# KiCad board psc_carrier_brd.kicad_pcb (continued)
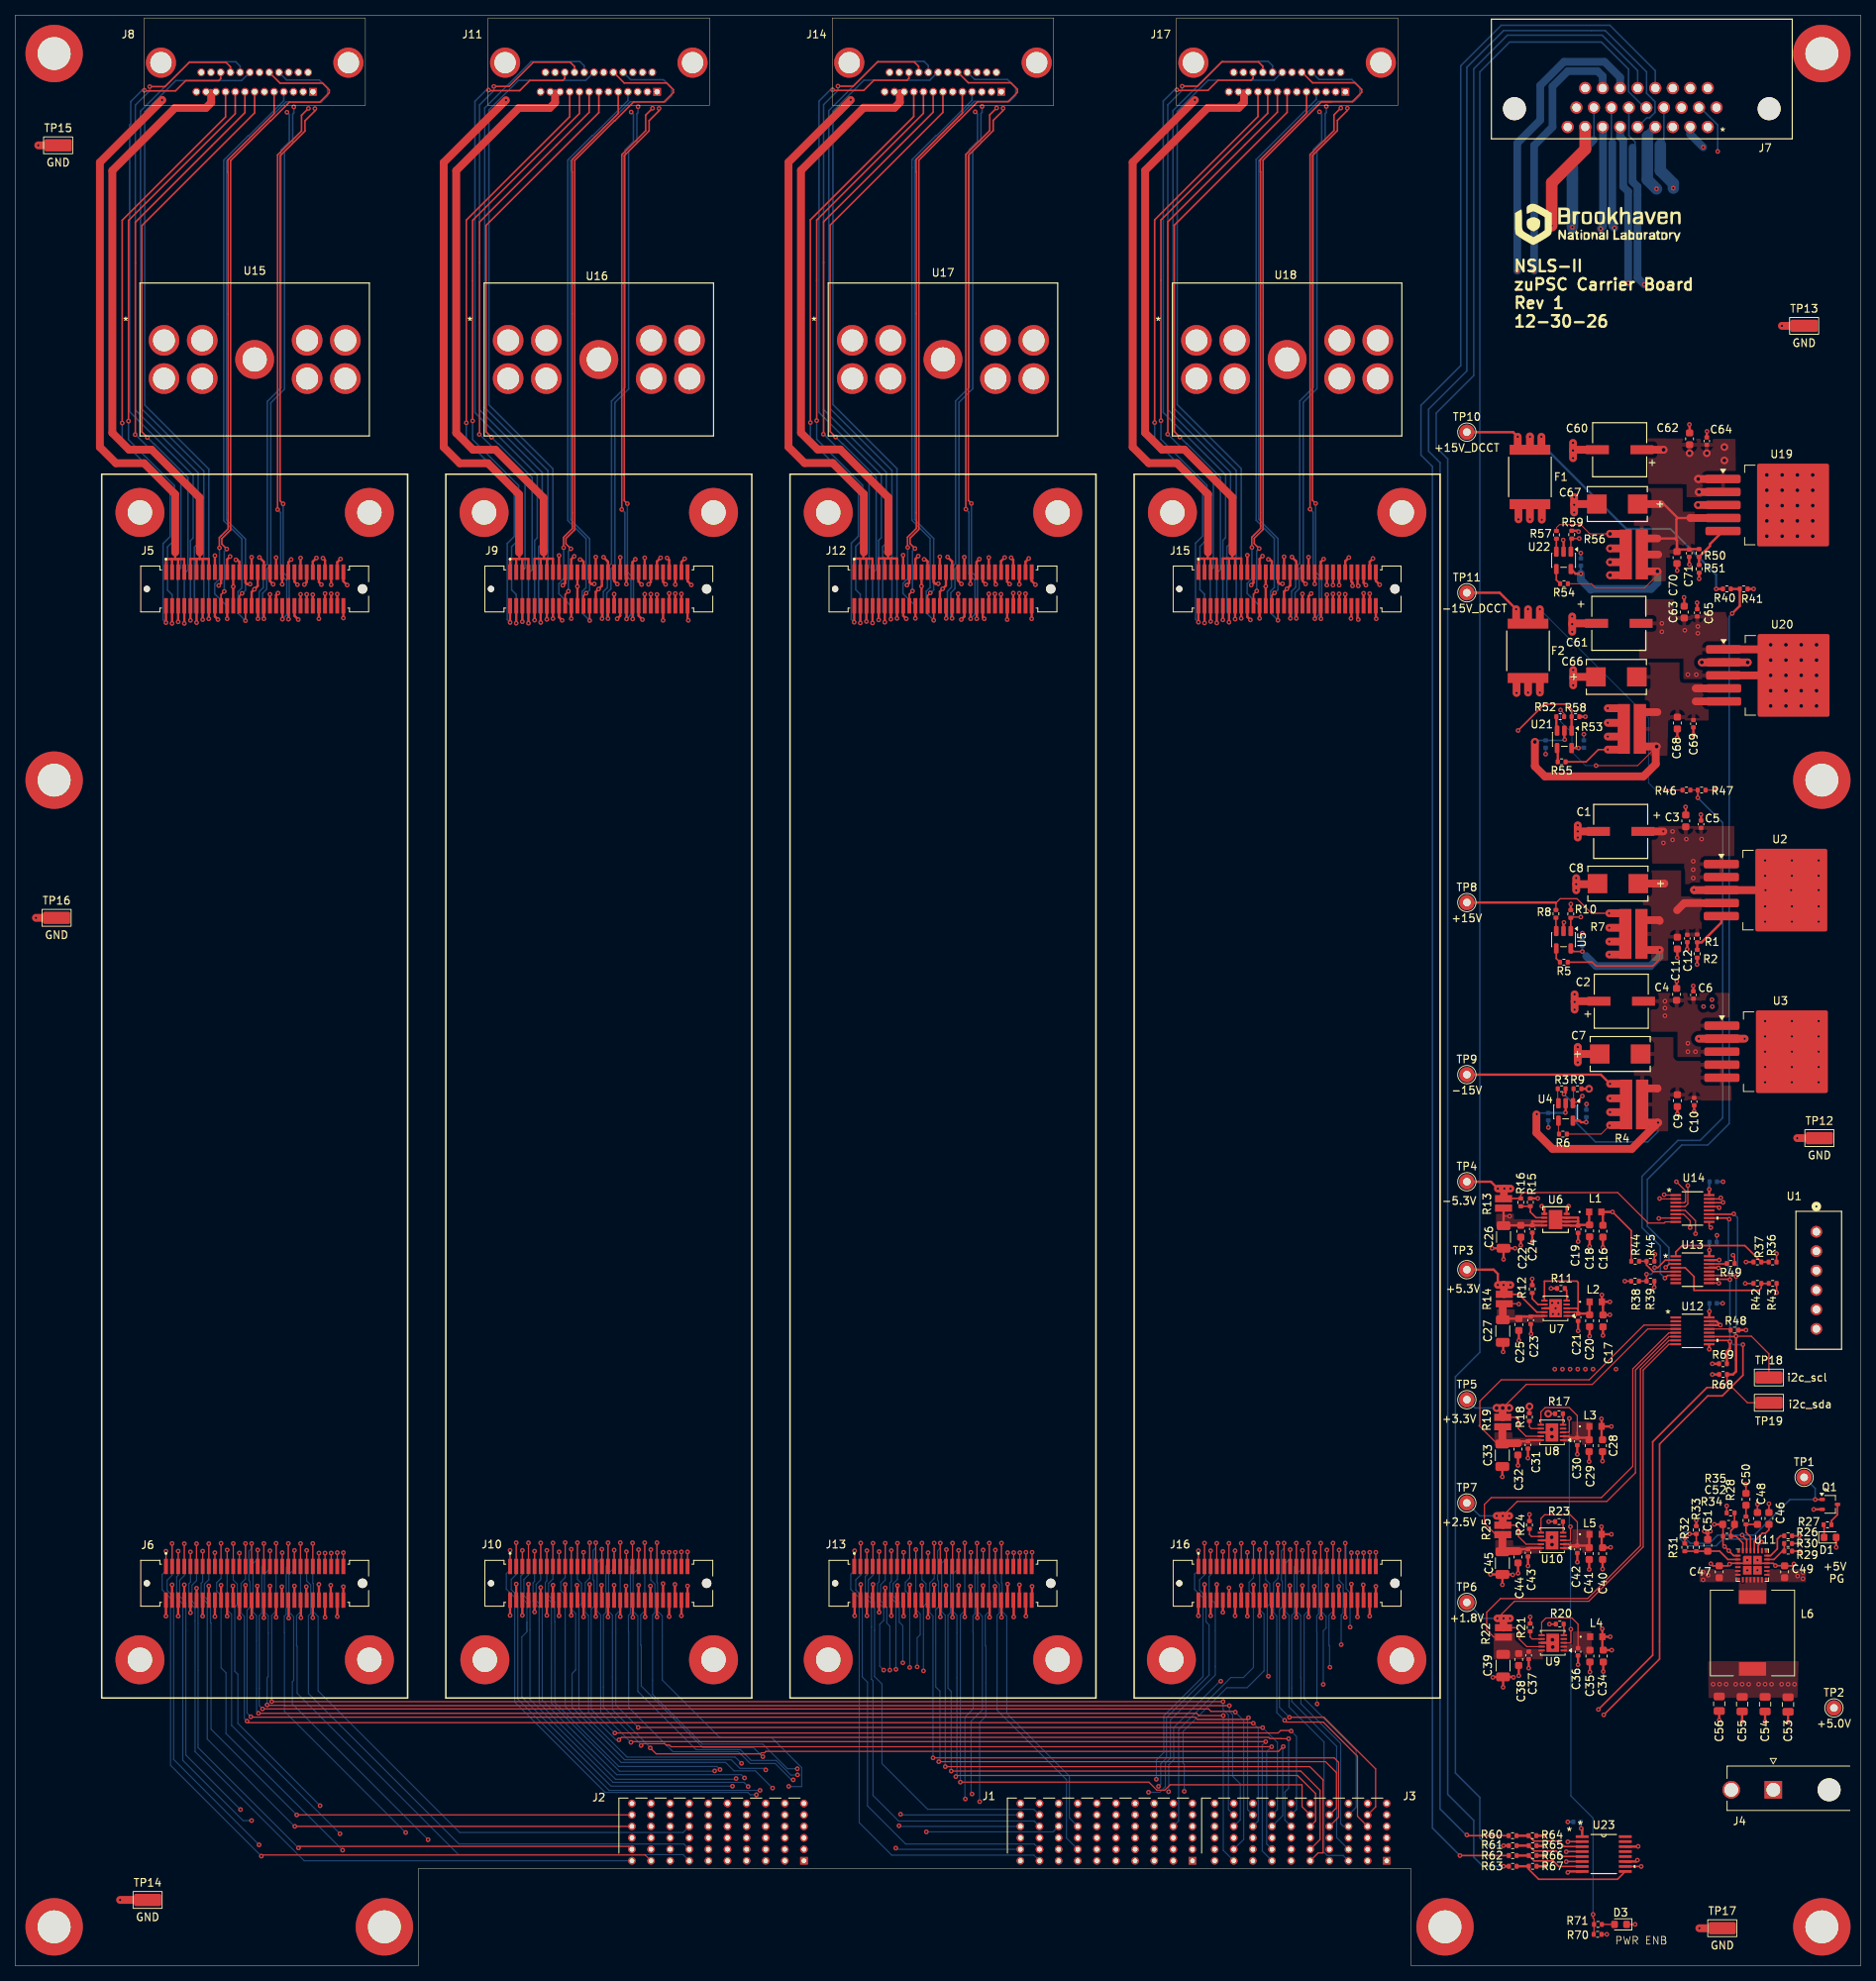
[diagram p0: board, top side]
## Routing (per net, layer and track width the routed paths; a pad name or vN(x,y) marks a point on that pad's centre or on a via; arc(x,y) is an arc through that point) (continued)
+5.3V: length 60.5
  Top w0.15: v1(219,96.5) 219,97.4 218.15,98.25 U14.6 217.07,98.3
  Top w0.2: U7.9 198.94,85.46 196.62,87.78 R14.2
  Top w0.3: 172.3,180.6 172.3,182.41 ; v1(36.89,180.56) 36.5,180.95 36.5,182.25 ; v1(193.85,89) 193.85,90.45 193.3,91 TP3.1 ; 82.3,181.93 v1(82.3,184.07) ; v1(81.89,180.59) 81.5,180.97 81.5,182.28 ; 126.49,182.31 126.49,181 v1(126.88,180.62) ; v1(171.5,180.5) 171.5,182.31 ; 127.29,181.96 v1(127.29,184.1) ; 37.3,181.9 v1(37.3,184.05)
  Top w1: 194.65,87.78 194.65,89 ; 194.65,89 v1(194.6,89) v1(193.85,89) ; 194.65,89 v1(195.5,89)
  In2.Cu - Signal w0.15: v1(219,96.5) 217.1,96.5 216.2,95.6 212.2,95.6 207.3,90.7 196.7,90.7 195.5,89.5 v1(195.5,89)
  vias: v1(172.3,180.5)
+15V: length 60
  Top w0.15: R8.1 201.45,138.95 202,139.5 204.2,139.5 206.1,137.6 v1(208.4,137.6) 208.43,137.6
  Top w0.2: R38.1 v1(210.45,89.5)
  Top w0.3: v1(30.7,180.63) 30.31,180.63 30.1,180.84 30.1,182.4 ; 165.9,182.06 v1(165.9,184.21) ; 201.45,138.95 201.4,139 TP8.1 ; 120.09,182.46 120.09,180.9 120.3,180.69 v1(120.69,180.69) ; 75.1,182.43 75.1,180.87 75.31,180.66 v1(75.7,180.66) ; v1(208.5,85.1) 208.48,85.07 C17.1 207.6,86.65 L2.2 v1(207.45,87.7) ; 210.32,133.9 210.72,134.3 210.72,135 ; v1(165.7,180.69) 165.31,180.69 165.1,180.9 165.1,182.46 ; 210.72,135 210.72,132.2 210.73,132.2 ; 210.72,135 210.72,137.4 210.53,137.6 ; 210.72,135 210.72,135.4 210.32,135.8 210.23,135.7 ; 120.89,182.06 v1(120.89,184.21) ; 207.44,86.8 v1(208.5,86.8) ; 30.9,182 v1(30.9,184.15) ; 75.9,182.03 v1(75.9,184.18)
  Top w1.016: 210.72,135 210.72,134.6 ; 210.73,132.2 v1(208.43,132.2) ; 210.53,137.6 208.43,137.6 ; 210.23,135.7 v1(208.43,135.7) ; 210.32,133.9 v1(208.43,133.9)
+15V_DCCT: length 45.7
  Top w0.3: TP10.1 195.85,200.5 v1(196.45,199.9) ; R40.1 v1(222.4,180)
  Top w1.016: 198.05,199.95 v1(198.05,199.9) F1.2 ; 199.55,198.2 v1(199.55,199.9) ; 196.45,198.2 v1(196.45,199.9)
  Bottom w0.3: v1(199.55,199.9) 199.55,198.95 210.65,187.85 216.4,187.85 222.4,181.85 v1(222.4,180)
+18V: length 19.3
  Top w0.11: R47.2 v1(222.3,153.7)
  Top w0.2: R36.1 v1(230.29,93.09) 230.3,93.1 ; v1(214.4,93) 214.32,92.92 R45.2 ; R43.2 v1(230.3,88) ; R29.1 v1(233.35,54.2)
  Top w0.3: 223.48,198.8 v2(223.48,198.55) ; D1.2 238.09,54.71 v1(238.1,54.7) ; 220.07,194.4 v2(220.05,194.38) 220.15,194.28
  Top w1.016: 220.03,194.4 v2(220.05,194.38) U19.1 ; C60.1 v2(215.53,198.2) ; 223.3,192.68 v2(220.15,192.68) 220.12,192.65 ; C1.1 v1(215.5,148.3)
  vias: v1(215.5,146.8) v1(216.7,148.3) v1(216.7,147.2) v1(218.5,147.3) v1(219.4,144.4) v1(219.4,143.3) v1(219.4,142.2) v1(220.5,147.3) v1(220.7,51.45) v1(220.7,50.45) v1(221.35,51.05) v1(233.05,50.95) v1(233.75,51.4) v1(233.75,50.6) v2(218.93,197.75) v2(221.18,197.75) v2(223.48,196.8)
-5.3V: length 49
  Top w0.15: R15.1 196.85,100.75 197.18,101.08 209.52,101.08 213.5,97.1 215.6,97.1 215.75,97.25 U14.8
  Top w0.2: R15.1 194.63,100.31 R13.2 ; 175.5,180.5 v1(175.6,180.4)
  Top w0.3: v1(130.01,180.63) 129.69,180.96 129.69,182.6 ; v1(40.22,184.03) 40.5,183.75 40.5,182 ; v1(130.21,184.08) 130.49,183.81 130.49,182.06 ; J15.53 175.5,180.5 ; 84.7,182.57 84.7,180.93 v1(85.02,180.6) ; v1(40.02,180.57) 39.7,180.9 39.7,182.55 ; v1(85.23,184.05) 85.5,183.78 85.5,182.03 ; v1(193.85,101.6) 192.95,102.5 TP4.1 ; 174.7,182.6 174.7,180.96 174.85,180.81 v1(174.85,180.41)
  Top w1: v1(195.5,101.6) v1(194.7,101.6) 194.65,101.6 ; v1(193.85,101.6) 194.65,101.6 ; 194.65,101.6 194.65,100.38
-15V: length 68.9
  Top w0.11: R6.1 207.35,108.72 v1(208.46,109.84) 208.53,109.9
  Top w0.2: v1(208.85,98.55) 211.3,96.1 R44.1
  Top w0.3: v1(208.85,98.55) L1.2 207.59,98.35 C16.1 ; TP9.1 207.32,116.5 v1(208.53,115.3) ; 124.09,182 v1(124.09,184.16) ; 210.82,109.9 210.82,109.9 210.82,112.7 ; 210.43,111.6 210.82,112 210.82,112.7 ; 210.32,113.4 210.43,113.5 210.82,113.1 210.82,112.7 ; 169.1,182 v1(169.1,184.16) ; 168.3,182.46 168.3,181.09 v1(168.72,180.66) ; v1(33.72,180.61) 33.3,181.03 33.3,182.4 ; 79.1,181.97 v1(79.1,184.12) ; 34.1,181.95 v1(34.1,184.1) ; 210.62,115.3 210.82,115.1 210.82,112.7 ; v1(78.72,180.63) 78.3,181.06 78.3,182.43 ; 123.29,182.46 123.29,181.09 v1(123.71,180.66)
  Top w1.016: 210.82,112.7 210.82,112.3 ; 210.82,109.9 208.53,109.9 ; 210.62,115.3 v1(208.53,115.3) ; 210.43,111.6 v1(208.53,111.6) ; 210.32,113.4 v1(208.53,113.4)
-15V_DCCT: length 46.4
  Top w0.11: R46.1 v1(215.7,153.7)
  Top w0.3: TP11.1 194.1,179.5 v1(196.25,177.35)
  Top w1.016: 199.35,175.46 v1(199.35,177.35) ; 196.25,175.46 v1(196.25,177.35) ; F2.2 v1(197.8,177.35)
  Bottom w0.11: v1(199.35,177.35) 213.55,163.15 213.55,154.65 214.5,153.7 v1(215.7,153.7)
-18V: length 18.5
  Top w0.2: R42.1 v1(226.2,89.2)
  Top w1.016: U20.3 v2(229.53,168.7) ; U20.1 228.93,172.1 v2(229.53,172.7) ; 228.9,122.9 v1(232.3,119.5) ; 229.3,119.5 229.35,119.45
  vias: v1(215.3,175.5) v1(215.3,174.4) v1(215.7,126.1) v1(215.7,125.2) v1(215.7,124.2) v1(218.3,174.6) v1(218.7,168.8) v1(218.7,120.6) v1(218.7,119.5) v1(219.7,119.5) v1(219.8,168.8) v1(220,175.1) v1(220,174.2) v1(228.8,123.5) v1(228.8,121.5) v1(228.8,119.5) v1(228.8,117.5) v1(228.8,115.5) v1(232.3,123.5) v1(232.3,121.5) v1(232.3,117.5) v1(232.3,115.5) v1(235.8,123.5) v1(235.8,121.5) v1(235.8,119.5) v1(235.8,117.5) v1(235.8,115.5) v2(229.53,170.7) v2(229.53,166.7) v2(229.53,164.7) v2(231.53,172.7) v2(231.53,170.7) v2(231.53,168.7) v2(231.53,166.7) v2(231.53,164.7) v2(233.53,172.7) v2(233.53,170.7) v2(233.53,168.7) v2(233.53,166.7) v2(233.53,164.7) v2(235.53,172.7) v2(235.53,170.7) v2(235.53,168.7) v2(235.53,166.7) v2(235.53,164.7)
/regulators/+1.8V regulator/Vin_1.8v: length 10.8
  Top w0.15: C36.1 204.34,44.66 203.54,45.46 200.14,45.46 199.58,44.9 U9.6
  Top w0.2: U9.2 202.49,41.71 ; 204.2,41.38 C36.1 204.28,41.58
  Top w0.3: 205.63,41.52 C35.1 ; 205.89,42.98 L4.1
/regulators/+2.5V regulator/Vin_2.5v: length 17.7
  Top w0.15: 204.2,55.62 204.25,55.66 204.25,58.01 203.31,58.96 199.98,58.96 199.49,58.47 U10.6
  Top w0.2: U10.2 202.4,55.11 203.1,55.11 203.23,54.99 204.19,54.99 C42.1 ; 204.25,55.66 C42.1 ; C42.1 204.12,54.79 203.28,54.79 203.11,54.62 U10.1
  Top w0.3: C42.1 205.54,54.92 C41.1 205.8,56.38 L5.1
/regulators/+3.3V regulator/Vin_3.3v: length 17.4
  Top w0.15: 204.19,69.72 204.24,69.76 204.24,71.92 203.19,72.96 200.04,72.96 199.48,72.4 U8.6
  Top w0.2: 204.24,69.76 204.24,69.02 ; 204.24,69.02 204.11,68.89 203.26,68.89 203.1,68.72 U8.1 ; 204.24,69.02 204.18,69.09 203.22,69.09 203.09,69.21 202.38,69.21 U8.2
  Top w0.3: L3.1 205.79,70.48 C29.1 205.53,69.02 204.24,69.02
/regulators/+5VA regulator/+5.3Vout: length 41.8
  Top w0.15: R14.1 196.55,86.55 v1(196.6,86.5) ; v1(219.7,95.7) 219.7,97.4 218.35,98.75 U14.5
  Top w0.3: U7.10 198.25,84.96 C23.1 196.86,84.86 C25.1 194.65,84.6 C27.1 ; 194.5,86.35 R14.1
  Top w1.016: C27.1 194.5,86.35
  In2.Cu - Signal w0.15: v1(219.7,95.7) 219,95.7 218.3,95 213.4,95 211.2,92.8 211.2,92.8 211.3,92.9 211.3,92.9 208.2,89.8 199.9,89.8 v1(196.6,86.5)
/regulators/+5VA regulator/+15Vin: length 18.9
  Top w0.2: U7.1 204.05,84.96 C21.1 204.35,85.8 ; 204.35,85.8 204.35,89.35 204.2,89.5 199.95,89.5 U7.6 ; 204.35,85.8 204.19,85.96 U7.3 ; U7.2 204.16,85.46
  Top w0.3: C21.1 205.69,85.26 C20.1 L2.1
/regulators/+5VA regulator/-5.3Vout: length 35
  Top w0.15: U14.7 214.95,97.75 v1(214.9,97.7) ; 194.6,98 v1(195.4,98)
  Top w0.3: 199.94,97.3 198.35,97.3 198.35,96.81 C24.1 ; C24.1 C22.1 194.65,96.8 C26.1 R13.1 ; C24.1 199.94,96.8
  In2.Cu - Signal w0.15: v1(214.9,97.7) 212.9,97.7 209.5,101.1 198.5,101.1 v1(195.4,98)
/regulators/+5VA regulator/-15Vin: length 13.7
  Top w0.3: 204.35,97.3 204.35,97.8 U6.3 201.65,97.8 U6.9 ; 204.35,97.3 C19.1 ; 204.35,97.3 U6.2 201.65,97.3 U6.9 ; C19.1 204.44,96.85 C18.1 205.79,96.91 L1.1 ; C19.1 203.39,96.76 203.35,96.8 U6.1 202.15,96.8 U6.9
/regulators/+15v -15v DCCT Regulators/+15V_DCCT_REG: length 61.6
  Top w0.11: R54.1 206.09,180.69 206.65,180.12 213.03,180.12 214.73,181.82 v2(214.73,182.3)
  Top w0.3: 214.73,186.6 217,186.6 217.28,186.32 ; 215.12,191.1 215.55,191.1 217.38,189.28 ; 217.28,186.32 C70.1 217.56,185.16 C71.1 218.93,185.21 R50.1 ; 217.28,186.32 217.2,186.4 217.2,189.1 217.38,189.28 ; 217.38,189.28 219.05,189.28 ; v1(204.7,182) 204,182 U22.5
  Top w1.016: U19.4 219.05,189.28 219.03,189.3 ; C67.1 215.12,191.1 ; R56.1 212.68,182.35 212.73,182.3 v2(214.73,182.3) ; R56.1 212.68,186.55 212.73,186.6 214.73,186.6 ; R56.1 214.82,184.5
  Bottom w0.3: C74.1 204.7,183.03 v1(204.7,182)
  Bottom w1.016: v1(204.7,182) 204.7,181.2 206,179.9 206.1,180 213.9,180 214.73,180.82 v2(214.73,182.3)
/regulators/+15v -15v DCCT Regulators/+15V_DCCT_uf: length 30.4
  Top w0.11: R57.1 201.51,188.01 201.9,188.4 204.7,188.4 205.9,187.2 v2(208.53,187.2)
  Top w0.3: 210.82,184.6 210.82,185 210.43,185.4 210.32,185.3 ; 210.82,184.6 210.82,183.9 210.43,183.5 ; 210.82,184.6 210.82,181.8 210.82,181.8 ; 210.82,184.6 210.82,187 210.62,187.2
  Top w1.016: 210.82,184.6 210.82,184.2 ; 210.43,183.5 v2(208.53,183.5) ; 210.62,187.2 v2(208.53,187.2) ; F1.1 v1(198.05,189.1) ; 199.6,191.04 v1(199.6,189.06) ; 210.82,181.8 v2(208.53,181.8) ; 196.55,191.09 v1(196.55,189.1) ; 210.32,185.3 v2(208.53,185.3)
/regulators/+15v -15v DCCT Regulators/-15V_DCCT_REG: length 64.3
  Top w0.11: R52.1 202.52,163.71 v1(202.05,164.18) ; v1(206.7,156.9) 212.12,156.9 v2(214.62,159.4)
  Top w0.3: v1(202.6,160.3) 202.55,160.35 U21.2 202.52,161.5
  Top w1.016: 214.73,163.9 212.53,163.9 212.53,161.8 R53.2 212.53,161.6 212.53,159.4 214.5,159.4 ; 214.5,159.4 214.5,157.1 212.9,155.5 200,155.5 198.7,156.8 v2(198.7,160) ; 214.5,159.4 v2(214.62,159.4) ; U20.5 219.73,165.3 ; U20.4 219.73,167
  Bottom w0.11: 214.62,159.1 v2(214.62,159.4) ; v1(202.05,164.18) 202.05,162.68 203.55,161.18 203.55,158.68 205.32,156.9 v1(206.7,156.9)
  Bottom w0.2: v2(198.7,160) 198.9,160.2 C72.1 202.5,160.2 v1(202.6,160.3)
/regulators/+15v -15v DCCT Regulators/-15V_DCCT_uf: length 28.2
  Top w0.2: v1(208.23,159) 207,159 205.4,157.4 R55.1
  Top w0.3: 210.52,161.8 210.52,159 210.53,159 ; 210.52,161.8 210.52,161.1 210.12,160.7 ; 210.52,161.8 210.52,164.2 210.32,164.4 ; 210.52,161.8 210.52,162.2 210.12,162.6 210.03,162.5
  Top w1.016: 210.12,160.7 v1(208.23,160.7) ; 199.35,168.35 v1(199.35,166.45) ; 210.53,159 v1(208.23,159) ; 210.03,162.5 v1(208.23,162.5) ; 210.52,161.8 210.52,161.4 ; 210.32,164.4 v1(208.23,164.4) ; F2.1 v1(197.8,166.45) ; 196.3,168.3 v1(196.3,166.4)
/regulators/+15v -15v PSC Regulators/+15V_PSC_REG: length 46.8
  Top w0.2: U5.5 203.79,132.6 v1(204.9,132.6) ; v1(215.03,132.8) 215.03,131.62 214.1,130.7 206.7,130.7 206.2,131.2 R5.1
  Top w1.016: 215.62,141.5 215.6,141.47 C8.1 ; 215.03,136.6 214.93,136.7 212.73,136.7 212.62,136.6 R7.2 212.62,132.8 v1(215.03,132.8) ; U2.4 218.23,138.93 217.3,138
  Bottom w0.2: v1(204.9,132.6) 204.89,132.61 C15.1
  Bottom w0.3: 205.4,132 205.4,132.1 v1(204.9,132.6)
  Bottom w1.016: v1(215.03,132.8) 215.03,131.93 213.8,130.7 206.7,130.7 205.4,132
/regulators/+15v -15v PSC Regulators/-15V_PSC_REG: length 51
  Top w0.11: 202.71,112.78 U4.2
  Top w0.3: v1(202.69,111.54) 202.72,111.57 U4.2 ; R3.1 202.71,114.16 v1(202.5,113.95)
  Top w1.016: v1(214.8,110.22) 212.8,110.22 212.73,110.3 R4.2 ; v1(214.8,110.22) 214.75,110.22 ; v1(214.8,110.22) 211.38,106.8 201,106.8 198.9,108.9 198.9,111.3 ; 212.73,114.7 214.73,114.7 214.62,114.7
  Bottom w0.2: 198.9,111.3 v1(198.95,111.35) 199.09,111.49 C13.1 ; v1(202.5,113.95) 204.11,112.34 204.11,110.22 206.62,107.7 213.45,107.7 214.8,109.05 v1(214.8,110.22)
  Bottom w0.3: C13.1 202.63,111.49 v1(202.69,111.54) 202.7,111.55
GND: length 642.8
  Top w0.15: J16.57 v1(177.1,54.05) ; 161.1,52.18 v1(161.1,54.05) ; 124.95,52.2 v1(124.95,54.05) ; 87.9,52.25 v1(87.9,54.1) ; 42.1,52.15 v1(42.1,54) ; 86.3,52.25 v1(86.3,54.05) ; 116.15,52.18 v1(116.15,54.05) ; 42.9,52.15 v1(42.9,54) ; 74.3,52.25 v1(74.3,54.05) ; 175.5,52.23 v1(175.5,54) ; J16.55 v1(176.3,54) ; 132.95,52.2 v1(132.95,54.05) ; 34.9,52.15 v1(34.9,54) ; 26.1,52.12 v1(26.1,54) ; 129.75,52.23 v1(129.75,54) ; J16.59 v1(177.9,54.05) ; J16.39 v1(169.9,54.05) ; 119.35,52.2 v1(119.35,54) ; J16.25 v1(164.3,54) ; D3.1 v1(211.8,5.4) ; 174.7,52.23 v1(174.7,54) ; 79.9,52.25 v1(79.9,54.1) ; 41.3,52.15 v1(41.3,53.95) ; 131.35,52.2 v1(131.35,54) ; 85.5,52.27 v1(85.5,54.05) ; 39.7,52.18 v1(39.7,53.95) ; 87.1,52.25 v1(87.1,54.1) ; 29.3,52.15 v1(29.3,53.95) ; 130.55,52.23 v1(130.55,54) ; R70.2 v1(208.1,4.1) ; 40.5,52.18 v1(40.5,53.95) ; 132.15,52.2 v1(132.15,54.05) ; 84.7,52.27 v1(84.7,54.05) ; 71.1,52.23 v1(71.1,54.1)
  Top w0.2: C48.2 v1(227.8,60.35) 227.8,60.4 227.75,60.45 ; U14.9 221.48,96.72 v1(221.7,96.5) ; R37.2 v1(226.3,92) ; R21.2 v1(198.08,45.6) ; U14.14 223.25,99.75 v1(223.3,99.8) ; R17.2 v2(200.44,72.17) ; v1(226.25,62.95) 226.3,62.9 C50.2 ; R24.2 v1(197.99,59) ; v1(226.48,53.02) 226.06,52.61 U11.3 224.26,52.61 v1(224.15,52.5) 223.93,52.27 C47.2 221.98,52.27 v1(221.7,52.55) ; U13.9 222.73,89.25 v1(222.75,89.23) ; R18.2 197.98,73.11 v2(197.99,73.12) ; v1(222.8,99.1) 222.65,99.25 U14.13 ; R35.2 223.78,60.12 v1(223.78,60.12) 223.75,60.15 ; R23.2 v1(200.5,58.06) 200.45,58.06 ; R26.2 v1(233.25,56.2) ; C46.2 v1(229.3,60.4) ; v1(223,100.4) 222.85,100.25 U14.15 ; 232.6,52.55 v1(232.57,52.52) 232.33,52.28 C49.2 231.33,52.3 v1(230.15,52.3) 229.84,52.61 U11.16 228.21,52.61 v1(227.8,53.02) ; R20.2 v1(200.6,44.66) 200.54,44.66 ; R30.2 v1(233.25,55.2)
  Top w0.3: 172.3,177.21 v1(172.3,179.35) ; v1(71.9,49.85) 71.9,47.75 ; v1(163.08,184.29) 162.7,183.91 162.7,182.16 ; v1(220.4,150.5) 220.43,150.47 C5.2 ; 115.35,47.7 v1(115.35,49.7) 115.35,49.8 ; C68.2 217.32,160.57 v1(217.3,160.55) ; v1(84.37,184.07) 83.9,183.6 83.9,181.97 ; 128.09,182.56 128.09,180.93 128.2,180.82 v1(128.2,180.6) ; 198.99,14.4 v1(200.05,14.4) ; v1(218.2,178.9) 218.23,178.88 C63.2 ; v1(36.07,183.85) 35.7,183.48 35.7,182 ; 198.36,95.93 v1(198.36,94.68) ; 76.7,182.44 76.7,180.41 v1(76.27,179.99) 75.9,179.62 J9.30 ; 163.5,182.46 v1(163.5,180.35) J15.24 ; v1(73.84,183.84) 74.03,183.84 74.3,183.56 74.3,182.12 ; v1(38.05,49.55) 38.05,47.45 ; 117.69,182.16 117.69,183.91 v1(118.07,184.29) ; J15.38 169.1,179.05 v1(169.45,179.4) ; v1(39.38,184.05) 38.9,183.57 38.9,181.95 ; 83.9,47.7 v1(83.9,45.6) ; v1(166.92,184.18) 167.5,183.59 167.5,182.06 ; J12.30 120.9,179.66 v1(121.26,180.01) 121.69,180.44 121.69,182.47 ; 170.7,182.06 170.7,183.53 v1(171.07,183.91) ; v1(116.5,176.1) 116.1,176.5 J12.18 ; C51.2 221.3,56.45 v1(221.65,56.8) ; C51.2 221.45,55.75 ; C51.2 221.3,56.35 v1(220.85,56.8) ; 194.6,93.6 v1(194.6,92.35) ; 71.1,182.22 v1(71.1,184.38) ; C11.2 217.32,131.82 v1(217.3,131.8) ; 131.29,182.56 v1(131.29,180.6) ; v1(169.85,49.6) 169.85,47.5 ; J15.30 165.9,179.65 v1(166.27,180.01) 166.7,180.44 166.7,182.47 ; v1(196.1,93.8) C26.2 v1(193.1,93.8) ; 122.49,182.06 122.49,183.59 v1(121.91,184.18) ; R12.2 v1(198.35,89.8) ; R39.2 214.32,88.72 v1(214.3,88.7) ; J5.38 34.1,179.2 v1(34.35,179.45) ; 70.3,47.75 v1(70.3,49.75) 70.3,49.85 ; v1(81.07,183.88) 80.7,183.5 80.7,182.03 ; v1(73.08,184.26) 72.7,183.88 72.7,182.12 ; 25.3,47.65 v1(25.3,49.65) 25.3,49.75 ; R64.2 v1(199.95,17) ; 64.7,47.9 v1(64.7,45.8) ; 123.29,177.21 v1(123.29,179.35) ; 33.3,177.15 v1(33.3,179.3) ; 130.49,177.31 v1(130.49,179.46) ; U7.8 v1(201.4,85.96) ; 204.25,54.01 v1(204.25,52.76) ; 176.3,182.56 176.3,180.8 v1(176.6,180.5) ; 79.9,182.28 v1(79.9,180.62) ; 79.1,47.75 v1(79.1,45.65) ; 41.3,182.5 v1(41.3,180.55) ; v1(166.65,49.7) 166.65,47.6 ; v1(219.4,128.1) 219.43,128.07 C6.2 ; 69.5,47.9 v1(69.5,45.8) ; 205.79,67.17 v1(205.79,65.92) ; 199.94,98.3 199.94,98.96 v1(199.6,99.3) ; 154.7,47.85 v1(154.7,45.75) ; v1(84.7,49.95) 84.7,47.85 ; v1(88.4,180.53) 87.9,181.03 87.9,182.57 ; 38.9,47.6 v1(38.9,45.5) ; J12.38 124.1,176.4 v1(123.7,176) ; v1(26.6,180.45) 26.9,180.75 26.9,182.45 ; v1(133.39,180.56) 132.89,181.06 132.89,182.6 ; 161.1,182.25 v1(161.1,184.41) ; 207.59,95.17 v1(207.59,93.92) ; 228.8,33.09 v1(228.8,31.89) ; 38.1,182.5 38.1,180.88 v1(37.8,180.57) ; v1(222.95,83.75) 222.45,84.25 U12.15 ; v1(222.95,83.75) 223,83.7 ; v1(222.95,83.75) U12.14 ; v1(178.4,180.56) 177.9,181.06 177.9,182.6 ; 219.5,111.65 v1(219.53,111.68) C10.2 ; v1(161.9,49.8) 161.9,47.7 ; 86.3,182.53 v1(86.3,180.57) ; v1(71.6,180.47) 71.9,180.78 71.9,182.47 ; v1(23.7,49.35) 23.7,47.7 ; 30.9,47.65 v1(30.9,45.55) ; U12.9 221.48,80.62 v1(221.5,80.6) ; C40.2 v1(207.55,51.86) ; 31.7,182.41 31.7,180.39 v1(31.27,179.96) 30.9,179.59 J5.30 ; R41.2 v1(227.3,180) ; 202.44,135.28 202.44,136.34 v1(202.5,136.4) ; R58.2 v1(205.3,163.3) ; 116.09,182.25 v1(116.09,184.41) ; v1(82.8,180.6) 83.1,180.9 83.1,182.53 ; 225.8,33.1 v1(225.8,31.9) ; v1(235.15,59.65) 235.17,59.67 Q1.2 ; v1(193.2,37.7) 193.26,37.76 C39.2 195.84,37.76 v1(195.9,37.7) ; 40.5,177.25 v1(40.5,179.4) ; v1(129.37,184.1) 128.89,183.63 128.89,182 ; v1(155.5,49.85) 155.5,47.75 ; 130.55,47.7 v1(130.55,45.6) ; 205.8,53.06 v1(205.8,51.81) ; 160.3,49.8 v1(160.3,49.7) 160.3,47.7 ; 109.75,47.85 v1(109.75,45.75) ; v1(76.92,184.15) 77.5,183.56 77.5,182.03 ; J5.52 v1(39.7,176.1) ; 217.35,111.35 v1(217.32,111.38) C9.2 ; 197.8,53.51 v1(197.8,52.26) ; v1(218.9,201.5) 218.93,201.47 C62.2 ; 116.89,182.5 116.89,180.81 v1(116.59,180.5) ; v1(37,176) 36.5,176.5 J5.44 ; 197.89,38.86 v1(197.89,38.9) 197.89,40.11 ; U23.8 203.13,12.33 v1(203,12.2) ; 167.5,47.65 v1(167.5,45.55) ; v1(116.95,49.8) 116.95,47.7 ; 204.24,68.12 v1(204.24,66.87) ; 29.3,182.1 29.3,183.54 29.03,183.81 v1(28.84,183.81) ; v1(43.4,180.5) 42.9,181 42.9,182.55 ; U23.14 212.17,15.57 v1(212.2,15.6) ; 128.95,47.65 v1(128.95,45.55) ; 204.35,84.25 v1(204.35,83) ; J9.52 v1(84.7,175.9) ; J15.52 174.7,176.2 v1(174.65,176.15) ; J9.38 79.1,176.5 v1(78.7,176.1) ; J5.60 v1(42.9,176.2) ; C28.2 v1(207.54,65.96) ; 40.5,47.65 v1(40.5,45.55) ; v1(165.1,49.8) 165.1,47.7 ; v1(218.6,132.9) 218.62,132.93 C12.2 ; J5.17 v1(26.1,184.35) ; 26.1,47.75 v1(26.1,45.65) ; C70.2 217.28,182.43 v1(217.3,182.4) ; v1(129.75,49.9) 129.75,47.8 ; 196.5,52.56 v1(196.5,51.31) ; v1(218.4,151.5) 218.43,151.47 C3.2 ; v1(177.52,183.98) 177.1,183.56 177.1,181.96 ; 32.5,47.6 v1(32.5,45.5) ; J12.60 v1(132.9,176.1) ; v1(110.55,49.85) 110.55,47.75 ; 173.1,182.56 173.1,180.93 173.11,180.92 v1(173.11,180.49) ; v1(177.95,176.1) 177.9,176.15 J15.60 ; v1(218.9,183.2) 218.88,183.22 C71.2 ; v1(219.9,130.9) 219.93,130.93 R2.2 ; U13.15 222.78,92.25 v1(222.8,92.27) ; 192.8,51.2 192.84,51.16 v1(192.9,51.16) C45.2 195.74,51.16 v1(195.8,51.1) ; v1(174.38,184.1) 173.9,183.63 173.9,182 ; v1(87.52,183.95) 87.1,183.53 87.1,181.93 ; 199.1,100.3 v1(199.08,100.32) R16.2 ; v1(222.7,91.23) 222.68,91.25 U13.13 ; v1(175.6,176) 175.5,176.1 J15.54 ; v1(219.9,178.2) 219.93,178.18 C65.2 ; v1(88,175.9) 87.9,176 J9.60 ; v1(173.05,49.6) 173.05,47.5 ; J6.2 v1(19.7,45.7) ; 231.8,33.05 v1(231.8,31.85) ; J12.44 126.5,176.3 v1(126.7,176.1) ; C34.2 v1(207.64,38.46) ; C69.2 v1(219.43,160.93) 219.45,160.9 ; v1(79.85,49.65) 79.85,47.55 ; 28.5,182.4 v1(28.5,180.3) J5.24 ; v1(120.15,49.8) 120.15,47.7 ; J5.18 26.1,176.4 v1(26.5,176) ; v1(33.3,49.65) 33.3,47.55 ; 169.9,182.31 v1(169.9,180.66) ; 168.3,177.21 v1(168.3,179.35) ; v1(161.5,175.95) 161.1,176.35 J15.18 ; 196.6,83 v1(196.6,81.75) ; 132.09,181.96 132.09,183.56 v1(132.51,183.98) ; v1(123.35,49.7) 123.35,47.6 ; J15.44 v1(171.5,179.25) ; 204.35,95.93 v1(204.35,94.68) ; J6.14 v1(24.5,45.7) ; J9.44 81.5,176.5 v1(82,176) ; R59.2 204.29,187.61 v1(204.4,187.5) ; 37.3,177.15 v1(37.3,179.3) ; U23.11 211.93,13.63 v1(212.1,13.8) ; 73.5,182.43 v1(73.5,180.32) J9.24 ; 124.89,182.31 v1(124.89,180.66) ; U9.8 U9.11 ; 194.55,81.5 v1(194.55,80.25) ; 196.85,95.43 v1(196.85,94.18) ; R11.2 v1(200.8,88.55) ; R51.2 v1(220.18,181.32) 220.2,181.3 ; 165.9,47.7 v1(165.9,45.6) ; v1(174.7,49.9) J16.52 ; 205.89,39.66 v1(205.89,38.41) ; 207.6,83.65 v1(207.6,82.4) ; 116.15,47.8 v1(116.15,45.7) ; 161.9,182.5 161.9,180.81 v1(161.6,180.5) ; R10.2 203.39,138.79 v1(203.4,138.8) ; 198.99,13 v1(200.05,13) ; U10.8 U10.11 ; 175.5,47.7 v1(175.5,45.6) ; U6.4 202.86,99.06 v1(203.1,99.3) ; C56.2 v1(222.8,32.1) ; v1(76.65,49.75) 76.65,47.65 ; v1(158.7,49.4) 158.7,47.75 ; 120.95,47.7 v1(120.95,45.6) ; v1(221.2,200.6) 221.18,200.57 C64.2 ; v1(78.3,49.75) 78.3,47.65 ; v1(42.52,183.93) 42.1,183.5 42.1,181.9 ; 196.59,39.16 v1(196.59,37.91) ; v1(68.7,49.45) J10.12 ; v1(126.06,183.91) 125.69,183.53 125.69,182.06 ; 77.5,47.7 v1(77.5,45.6) ; v1(26.9,49.75) 26.9,47.65 ; v1(39.7,49.85) 39.7,47.75 ; 197.79,67.62 v1(197.79,66.37) ; J9.18 71.1,176.3 v1(71.5,175.9) ; 114.55,47.85 v1(114.55,45.75) ; v1(128.1,49.6) 128.1,47.5 ; 82.3,177.18 v1(82.3,179.32) ; v1(75.1,49.85) 75.1,47.75 ; v1(202.4,186.4) 202.45,186.35 U22.2 ; C20.2 v1(205.85,82.3) ; v1(30.1,49.75) 30.1,47.65 ; J12.52 v1(129.7,176) ; v1(31.65,49.65) 31.65,47.55 ; v1(168.3,49.7) 168.3,47.6 ; v1(83.05,49.65) 83.05,47.55 ; 198.2,83.85 v1(198.2,82.6) ; v1(31.92,184.12) 32.5,183.54 32.5,182 ; 71.1,47.85 v1(71.1,45.75) ; 34.1,47.65 v1(34.1,45.55) ; 119.29,182.16 119.29,183.59 119.02,183.87 v1(118.83,183.87) ; 78.3,177.18 v1(78.3,179.32) ; U8.8 U8.11 ; J16.18 v1(161.1,45.7) ; 219.8,57.48 v1(219.8,58.25) ; 169.1,47.7 v1(169.1,45.6) ; v1(113.75,49.4) 113.75,47.75 ; 34.9,182.25 v1(34.9,180.6) ; C4.2 217.23,128.68 v1(217.25,128.7) ; 204.34,40.61 v1(204.34,39.36) ; 198.94,15.65 v1(200,15.65) ; 118.49,182.46 v1(118.49,180.35) 118.5,180.34 J12.24 ; v1(28.08,184.24) 27.7,183.86 27.7,182.1 ; C18.2 v1(205.85,94.05) ; v1(163.84,183.87) 164.03,183.87 164.3,183.59 164.3,182.16 ; 194.54,37.66 v1(194.54,36.41) ; 124.15,47.7 v1(124.15,45.6) ; 204.78,114.65 v2(205.78,114.65) ; 173.9,47.65 v1(173.9,45.55) ; 85.5,177.28 v1(85.5,179.43) ; 85.5,47.75 v1(85.5,45.65) ; v1(34.85,49.55) 34.85,47.45 ; 127.29,177.21 v1(127.29,179.35) ; 194.44,65.17 v1(194.44,63.92) ; v1(121.7,49.7) 121.7,47.6 ; 122.55,47.65 v1(122.55,45.55) ; v1(20.5,49.8) 20.5,47.7 ; v1(65.5,49.9) J10.4 ; v1(124.9,49.6) 124.9,47.5 ; 196.49,66.67 v1(196.49,65.42) ; 75.9,47.75 v1(75.9,45.65) ; 159.5,47.85 v1(159.5,45.75) ; 194.45,51.06 v1(194.45,49.81)
  Top w1.016: v1(220.12,121.2) U3.2 v1(226.12,121.2) ; 206.71,191.1 203.83,191.1 ; v1(203.68,197.1) v1(203.68,198.1) v1(203.68,199.1) ; v1(204.1,141.4) v1(204.1,140.6) ; v1(204.1,141.4) 207.37,141.4 ; v1(204.1,141.4) v1(204.1,142.2) ; v1(219.5,140.65) 219.53,140.62 U2.3 v1(232.2,140.62) U2.3 ; TP13.1 v1(231,214.4) ; 206.56,198.2 203.68,198.2 ; v1(203.57,176.4) v1(203.57,175.4) v1(203.57,174.4) ; TP12.1 v1(233,108.2) ; 223.1,4.9 v1(220.2,4.9) ; v2(226.53,170.4) U20.2 v2(220.53,170.4) ; v1(203.71,167.4) v1(203.71,168.4) v1(203.71,169.4) ; v1(204.3,148.3) v1(204.3,147.5) ; v1(204.3,148.3) 207.57,148.3 ; v1(204.3,148.3) v1(204.3,149.1) ; v1(203.89,127) v1(203.89,126) v1(203.89,125) ; v1(203.83,192) v1(203.83,191) v1(203.83,190) ; 206.45,175.5 203.57,175.5 ; 16.6,8.6 v1(13.7,8.6) ; 5.9,238 v1(3,238) ; 206.59,168.5 203.71,168.5 ; U19.3 v2(220.03,190.97) ; C7.1 204.3,119.2 v1(204.3,120.1) v1(204.3,119.1) v1(204.3,118.1) ; 5.6,137 v1(2.7,137) ; 206.77,126.1 203.89,126.1
  Bottom w0.2: v1(220.85,56.8) v1(221.65,56.8) ; v1(222.5,95.5) 222.48,95.48 C59.2 ; C72.2 v1(200.1,158.4) ; C73.2 v1(205.1,161)
  Bottom w0.3: C74.2 204.71,184.69 v1(204.7,184.7) ; C75.2 v1(203,18.8) ; C13.2 200.45,109.6 v1(200.46,109.59) 200.48,109.57 ; C14.2 205.43,112.63 v1(205.45,112.66) ; C57.2 v1(223.3,102.5) ; C58.2 v1(223.25,86.6) ; v1(204.9,135) 204.89,134.99 C15.2
  vias: v1(200.95,86.65) v1(201.05,85.2) v1(201.75,86.65) v1(201.8,85.2) v1(226.48,51.7) v1(227.8,51.7) v1(228.8,144.5) v1(228.8,142.5) v1(228.8,138.5) v1(228.8,136.5) v1(228.85,140.62) v1(232.3,144.5) v1(232.3,142.5) v1(232.3,138.5) v1(232.3,136.5) v1(235.8,144.5) v1(235.8,142.5) v1(235.8,140.62) v1(235.8,138.5) v1(235.8,136.5) v2(200.89,70.12) v2(200.93,69.17) v2(200.9,56.01) v2(200.94,55.06) v2(200.99,42.61) v2(201.03,41.66) v2(229.03,194.9) v2(229.03,192.9) v2(229.03,188.9) v2(229.03,186.9) v2(229.07,190.9) v2(231.03,194.9) v2(231.03,192.9) v2(231.03,190.9) v2(231.03,188.9) v2(231.03,186.9) v2(233.03,194.9) v2(233.03,192.9) v2(233.03,190.9) v2(233.03,188.9) v2(233.03,186.9) v2(235.03,194.9) v2(235.03,192.9) v2(235.03,190.9) v2(235.03,188.9) v2(235.03,186.9)
(no net):
  vias: v1(220.75,125.4) v1(221.85,126.3) v1(221.9,125.4)
/Ch1 Burden Resistor/Iin0.dcct+: length 222.9
  In7.Cu - SIG w1.5: v1(220.7,237.75) 219.55,236.6 30.23,236.6 19.44,225.81 U15.1
  Bottom w1.016: v1(220.7,237.75) 219.01,239.44 J7.2
/Ch1 Burden Resistor/Iin0.dcct-: length 202.6
  In7.Cu - SIG w1.5: U15.4 43.16,222.66 55.4,234.9 55.6,234.7 220.1,234.7 v1(222.6,237.2)
  Bottom w0.2: v1(222.6,237.2) 222.6,240.66 220.32,242.94 J7.11
/Ch1 Burden Resistor/Iin1.dcct+: length 225.9
  In2.Cu - Signal w1.5: J7.3 216.45,240.12 216.45,238.05 216.25,237.85 214.05,237.85 212.8,236.6 30.5,236.6 30.4,236.7 15.8,222.1 15.8,211.14 U15.5
/Ch1 Burden Resistor/Iin1.dcct-: length 202.1
  In2.Cu - Signal w0.2: 218.35,238.15 217.87,238.63 J7.12
  In2.Cu - Signal w1.5: U15.8 47.1,211.44 47.1,224.9 56.9,234.7 217.15,234.7 218.15,235.7 218.15,237.95 218.35,238.15
/Ch1 Burden Resistor/Vout0.dcct+: length 41.6
  Top w0.3: 38.1,177.15 v1(38.1,179.3)
  In2.Cu - Signal w0.2: v1(38.1,179.3) 38.25,179.45 38.25,179.84 38.8,180.39 38.8,182.21 38,183.01 38,191.58 30.97,198.61 30.97,205.4 24.44,211.93 U15.2